# Altium PCB LPCB235R0.PcbDoc (part 2 of 7)
Units mm, origin at the board's own origin, x right, y up, seen from the top; angles counter-clockwise.
Board outline 134 x 120 mm, 6 copper layers (Top Layer, IP1(DGND), MidLayer1, MidLayer2, IP2(D3V3), Bottom Layer), stack 1.623 mm thick; 472 components, 425 nets, 2110 pads, 1126 vias.
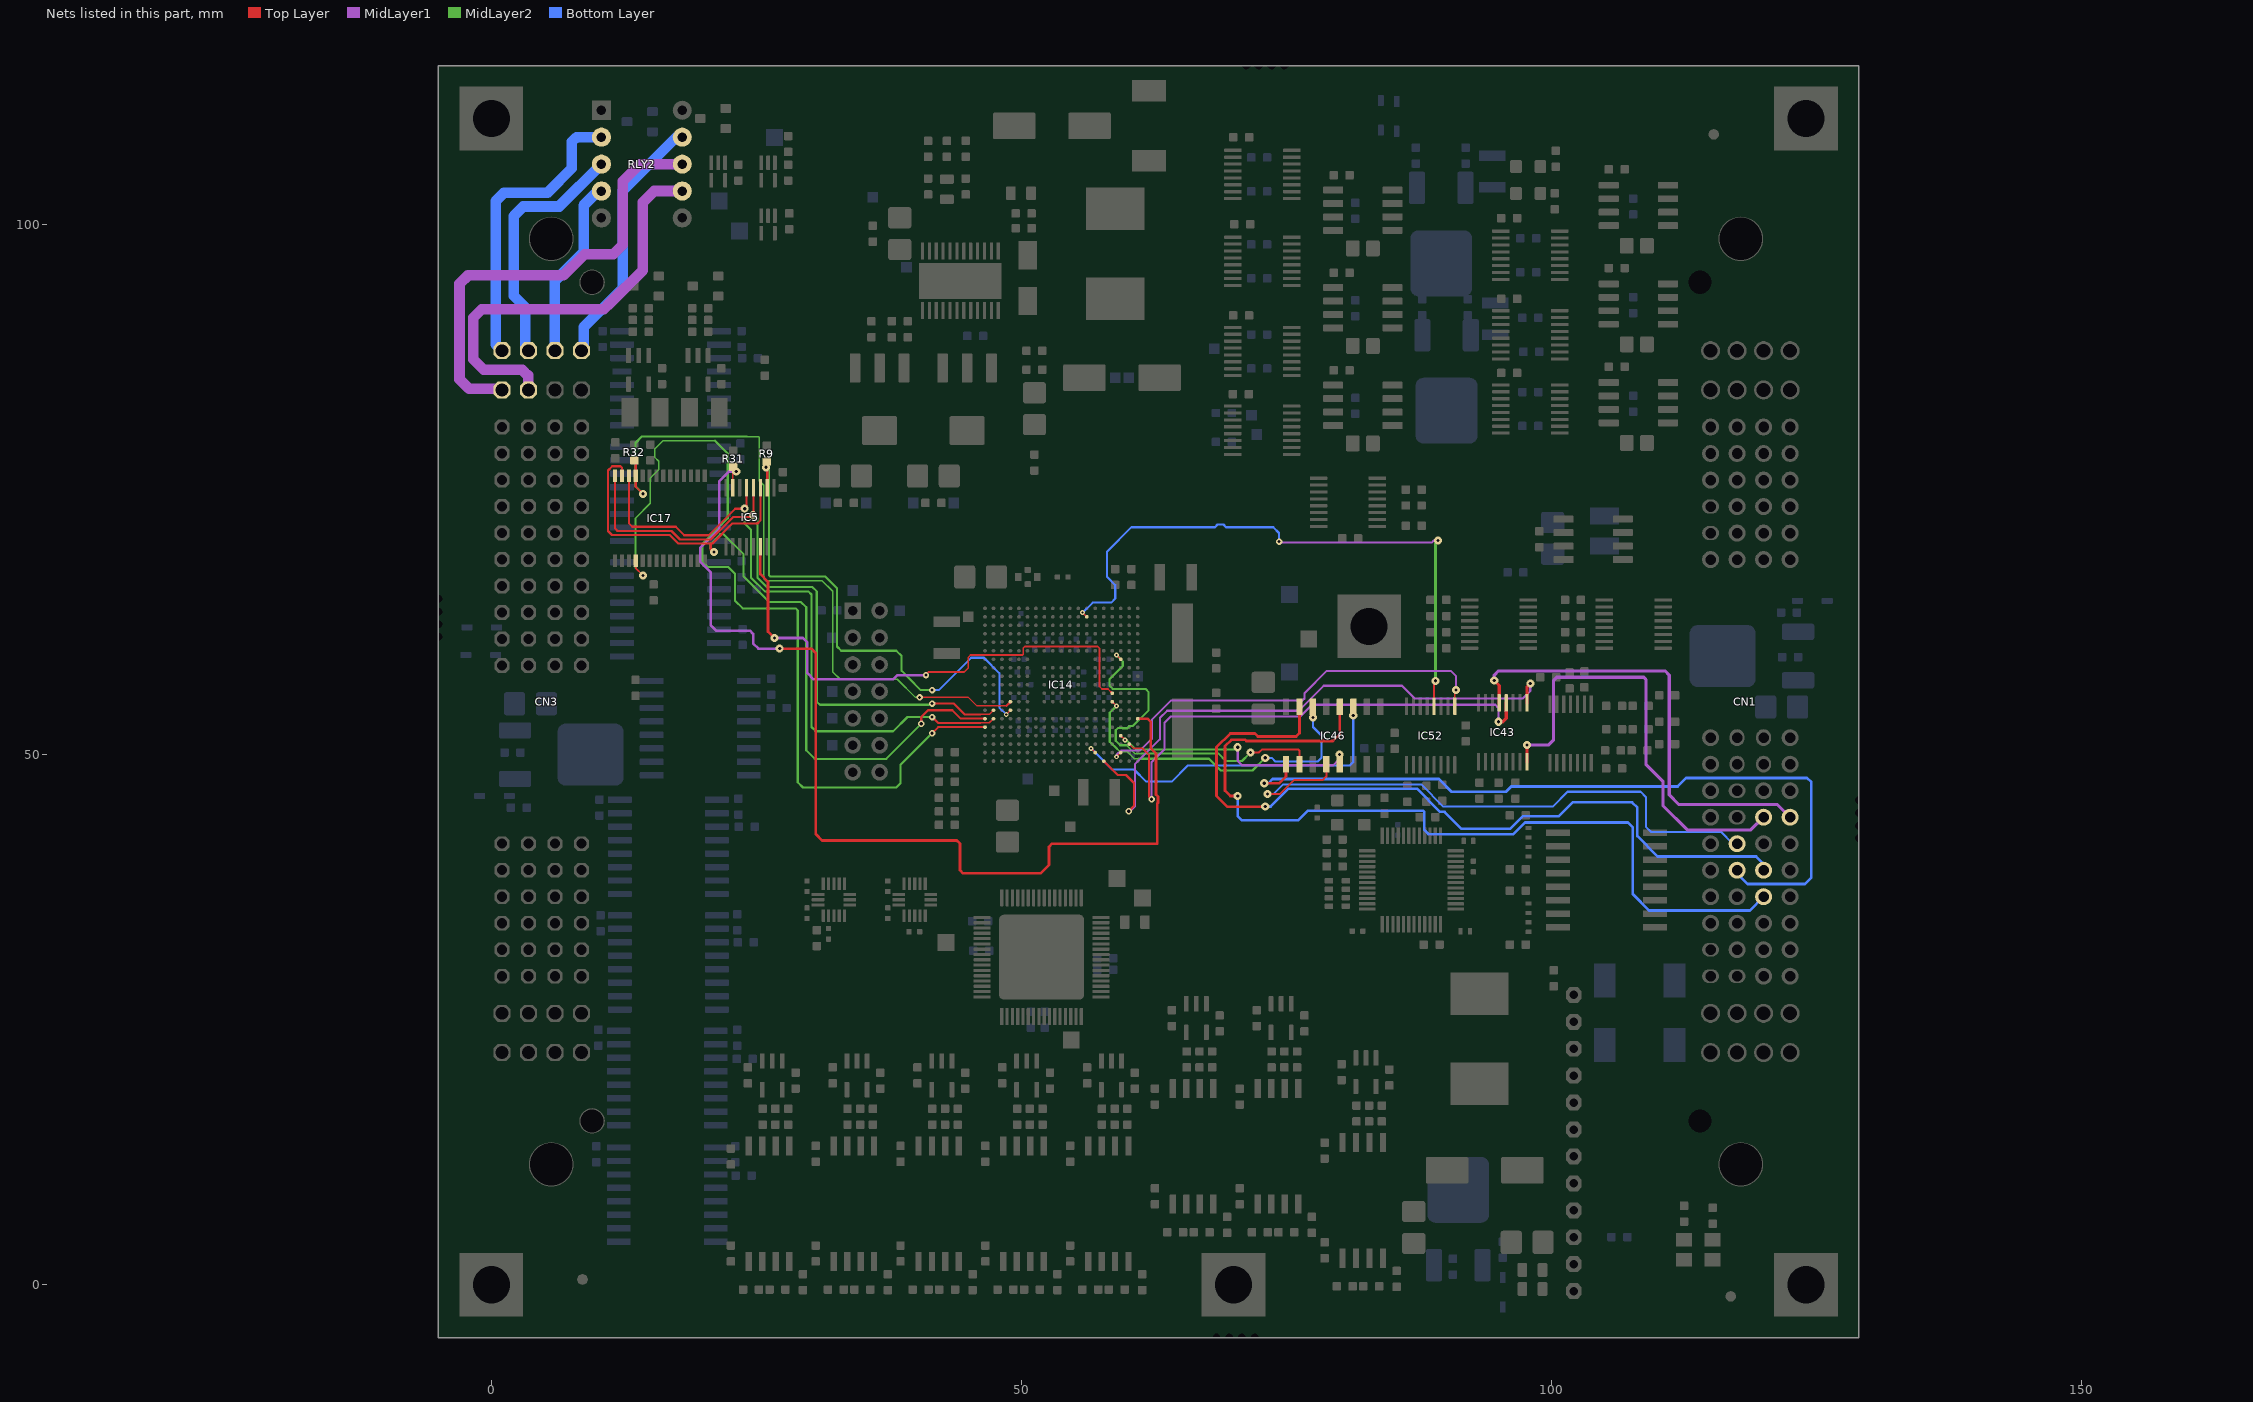
[diagram p6: the nets of this part, all layers, seen from the top]

## Components (designator, comment, footprint, x,y, rotation, side; value= is the part's Value field where it differs from the comment) (continued)
R74 "2.2K / 0.1W / 1% / SMD 0603" LFP020__CR1608-0603-IPC7351_B 99.7,57.3 r0 top
R75 "2.2K / 0.1W / 1% / SMD 0603" LFP020__CR1608-0603-IPC7351_B 110.9,51 r0 top
R76 "2.2K / 0.1W / 1% / SMD 0603" LFP020__CR1608-0603-IPC7351_B 108.3,50.4 r180 top
R77 "330R / 0.100W / 1% / SMD 0603" LFP020__CR1608-0603-IPC7351_B 105.8,50.4 r0 top
R78 "10K / 0.1W / 1% / SMD 0603" LFP020__CR1608-0603-IPC7351_B 30.7,32.7 r90 top
R79_TH1 "10K / 0.1W / 1% / SMD 0603" LFP020__CR1608-0603-IPC7351_B 80.195,20.05 r270 top (schematic designator R79)
R79_TH2 "10K / 0.1W / 1% / SMD 0603" LFP020__CR1608-0603-IPC7351_B 72.195,25.15 r270 top (schematic designator R79)
R79_TH3 "10K / 0.1W / 1% / SMD 0603" LFP020__CR1608-0603-IPC7351_B 64.195,25.15 r270 top (schematic designator R79)
R79_TH4 "10K / 0.1W / 1% / SMD 0603" LFP020__CR1608-0603-IPC7351_B 56.195,19.75 r270 top (schematic designator R79)
R79_TH5 "10K / 0.1W / 1% / SMD 0603" LFP020__CR1608-0603-IPC7351_B 48.195,19.75 r270 top (schematic designator R79)
R79_TH6 "10K / 0.1W / 1% / SMD 0603" LFP020__CR1608-0603-IPC7351_B 40.195,19.75 r270 top (schematic designator R79)
R79_TH7 "10K / 0.1W / 1% / SMD 0603" LFP020__CR1608-0603-IPC7351_B 32.195,19.75 r270 top (schematic designator R79)
R79_TH8 "10K / 0.1W / 1% / SMD 0603" LFP020__CR1608-0603-IPC7351_B 24.195,19.75 r270 top (schematic designator R79)
R80_TH1 "10K / 0.1W / 1% / SMD 0603" LFP020__CR1608-0603-IPC7351_B 80.495,-0.15 r180 top (schematic designator R80)
R80_TH2 "10K / 0.1W / 1% / SMD 0603" LFP020__CR1608-0603-IPC7351_B 72.495,4.95 r180 top (schematic designator R80)
R80_TH3 "10K / 0.1W / 1% / SMD 0603" LFP020__CR1608-0603-IPC7351_B 64.495,4.95 r180 top (schematic designator R80)
R80_TH4 "10K / 0.1W / 1% / SMD 0603" LFP020__CR1608-0603-IPC7351_B 56.495,-0.45 r180 top (schematic designator R80)
R80_TH5 "10K / 0.1W / 1% / SMD 0603" LFP020__CR1608-0603-IPC7351_B 48.495,-0.45 r180 top (schematic designator R80)
R80_TH6 "10K / 0.1W / 1% / SMD 0603" LFP020__CR1608-0603-IPC7351_B 40.495,-0.45 r180 top (schematic designator R80)
R80_TH7 "10K / 0.1W / 1% / SMD 0603" LFP020__CR1608-0603-IPC7351_B 32.495,-0.45 r180 top (schematic designator R80)
R80_TH8 "10K / 0.1W / 1% / SMD 0603" LFP020__CR1608-0603-IPC7351_B 24.495,-0.45 r180 top (schematic designator R80)
R81_TH1 "10K / 0.1W / 1% / SMD 0603" LFP020__CR1608-0603-IPC7351_B 81.595,16.15 r90 top (schematic designator R81)
R81_TH2 "10K / 0.1W / 1% / SMD 0603" LFP020__CR1608-0603-IPC7351_B 73.595,21.25 r90 top (schematic designator R81)
R81_TH3 "10K / 0.1W / 1% / SMD 0603" LFP020__CR1608-0603-IPC7351_B 65.595,21.25 r90 top (schematic designator R81)
R81_TH4 "10K / 0.1W / 1% / SMD 0603" LFP020__CR1608-0603-IPC7351_B 57.595,15.85 r90 top (schematic designator R81)
R81_TH5 "10K / 0.1W / 1% / SMD 0603" LFP020__CR1608-0603-IPC7351_B 49.595,15.85 r90 top (schematic designator R81)
R81_TH6 "10K / 0.1W / 1% / SMD 0603" LFP020__CR1608-0603-IPC7351_B 41.595,15.85 r90 top (schematic designator R81)
R81_TH7 "10K / 0.1W / 1% / SMD 0603" LFP020__CR1608-0603-IPC7351_B 33.595,15.85 r90 top (schematic designator R81)
R81_TH8 "10K / 0.1W / 1% / SMD 0603" LFP020__CR1608-0603-IPC7351_B 25.595,15.85 r90 top (schematic designator R81)
R82_TH1 "10K / 0.1W / 1% / SMD 0603" LFP020__CR1608-0603-IPC7351_B 82.795,16.15 r90 top (schematic designator R82)
R82_TH2 "10K / 0.1W / 1% / SMD 0603" LFP020__CR1608-0603-IPC7351_B 74.795,21.25 r90 top (schematic designator R82)
R82_TH3 "10K / 0.1W / 1% / SMD 0603" LFP020__CR1608-0603-IPC7351_B 66.795,21.25 r90 top (schematic designator R82)
R82_TH4 "10K / 0.1W / 1% / SMD 0603" LFP020__CR1608-0603-IPC7351_B 58.795,15.85 r90 top (schematic designator R82)
R82_TH5 "10K / 0.1W / 1% / SMD 0603" LFP020__CR1608-0603-IPC7351_B 50.795,15.85 r90 top (schematic designator R82)
R82_TH6 "10K / 0.1W / 1% / SMD 0603" LFP020__CR1608-0603-IPC7351_B 42.795,15.85 r90 top (schematic designator R82)
R82_TH7 "10K / 0.1W / 1% / SMD 0603" LFP020__CR1608-0603-IPC7351_B 34.795,15.85 r90 top (schematic designator R82)
R82_TH8 "10K / 0.1W / 1% / SMD 0603" LFP020__CR1608-0603-IPC7351_B 26.795,15.85 r90 top (schematic designator R82)
R84 "4.75K / 0.06W / 1% / SMD 0402" LFP030__CR1005-0402-IPC7351 60.965,49.795 r0 bottom
R85 "4.75K / 0.06W / 1% / SMD 0402" LFP030__CR1005-0402-IPC7351 58.165,52.795 r90 bottom
R86_TH1 "2.7K / 0.100W / 1% / SMD 0603" LFP020__CR1608-0603-IPC7351_B 82.995,-0.15 r180 top (schematic designator R86)
R86_TH2 "2.7K / 0.100W / 1% / SMD 0603" LFP020__CR1608-0603-IPC7351_B 74.995,4.95 r180 top (schematic designator R86)
R86_TH3 "2.7K / 0.100W / 1% / SMD 0603" LFP020__CR1608-0603-IPC7351_B 66.995,4.95 r180 top (schematic designator R86)
R86_TH4 "2.7K / 0.100W / 1% / SMD 0603" LFP020__CR1608-0603-IPC7351_B 58.995,-0.45 r180 top (schematic designator R86)
R86_TH5 "2.7K / 0.100W / 1% / SMD 0603" LFP020__CR1608-0603-IPC7351_B 50.995,-0.45 r180 top (schematic designator R86)
R86_TH6 "2.7K / 0.100W / 1% / SMD 0603" LFP020__CR1608-0603-IPC7351_B 42.995,-0.45 r180 top (schematic designator R86)
R86_TH7 "2.7K / 0.100W / 1% / SMD 0603" LFP020__CR1608-0603-IPC7351_B 34.995,-0.45 r180 top (schematic designator R86)
R86_TH8 "2.7K / 0.100W / 1% / SMD 0603" LFP020__CR1608-0603-IPC7351_B 26.995,-0.45 r180 top (schematic designator R86)
R87_TH1 "10K / 0.1W / 1% / SMD 0603" LFP020__CR1608-0603-IPC7351_B 85.395,0.55 r270 top (schematic designator R87)
R87_TH2 "10K / 0.1W / 1% / SMD 0603" LFP020__CR1608-0603-IPC7351_B 77.395,5.65 r270 top (schematic designator R87)
R87_TH3 "10K / 0.1W / 1% / SMD 0603" LFP020__CR1608-0603-IPC7351_B 69.395,5.65 r270 top (schematic designator R87)
R87_TH4 "10K / 0.1W / 1% / SMD 0603" LFP020__CR1608-0603-IPC7351_B 61.395,0.25 r270 top (schematic designator R87)
R87_TH5 "10K / 0.1W / 1% / SMD 0603" LFP020__CR1608-0603-IPC7351_B 53.395,0.25 r270 top (schematic designator R87)
R87_TH6 "10K / 0.1W / 1% / SMD 0603" LFP020__CR1608-0603-IPC7351_B 45.395,0.25 r270 top (schematic designator R87)
R87_TH7 "10K / 0.1W / 1% / SMD 0603" LFP020__CR1608-0603-IPC7351_B 37.395,0.25 r270 top (schematic designator R87)
R87_TH8 "10K / 0.1W / 1% / SMD 0603" LFP020__CR1608-0603-IPC7351_B 29.395,0.25 r270 top (schematic designator R87)
R88_TH1 "10K / 0.1W / 1% / SMD 0603" LFP020__CR1608-0603-IPC7351_B 83.995,16.15 r90 top (schematic designator R88)
R88_TH2 "10K / 0.1W / 1% / SMD 0603" LFP020__CR1608-0603-IPC7351_B 75.995,21.25 r90 top (schematic designator R88)
R88_TH3 "10K / 0.1W / 1% / SMD 0603" LFP020__CR1608-0603-IPC7351_B 67.995,21.25 r90 top (schematic designator R88)
R88_TH4 "10K / 0.1W / 1% / SMD 0603" LFP020__CR1608-0603-IPC7351_B 59.995,15.85 r90 top (schematic designator R88)
R88_TH5 "10K / 0.1W / 1% / SMD 0603" LFP020__CR1608-0603-IPC7351_B 51.995,15.85 r90 top (schematic designator R88)
R88_TH6 "10K / 0.1W / 1% / SMD 0603" LFP020__CR1608-0603-IPC7351_B 43.995,15.85 r90 top (schematic designator R88)
R88_TH7 "10K / 0.1W / 1% / SMD 0603" LFP020__CR1608-0603-IPC7351_B 35.995,15.85 r90 top (schematic designator R88)
R88_TH8 "10K / 0.1W / 1% / SMD 0603" LFP020__CR1608-0603-IPC7351_B 27.995,15.85 r90 top (schematic designator R88)
R89 "10K / 0.1W / 1% / SMD 0603" LFP020__CR1608-0603-IPC7351_B 28,107.6 r270 top
R91_ML1 "1.78K / 0.1W / 1% / 50V / SMD 0603" LFP020__CR1608-0603-IPC7351_B 14.1,89.9 r0 top (schematic designator R91)
R91_ML2 "1.78K / 0.1W / 1% / 50V / SMD 0603" LFP020__CR1608-0603-IPC7351_B 19.7,89.9 r0 top (schematic designator R91)
R92_ML1 "3.3K / 0.1W / 1% / SMD 0603" LFP020__CR1608-0603-IPC7351_B 14.1,92.1 r180 top (schematic designator R92)
R92_ML2 "3.3K / 0.1W / 1% / SMD 0603" LFP020__CR1608-0603-IPC7351_B 19.7,92.1 r180 top (schematic designator R92)
RLY2 "TQ2-12" TQ2 14.2,105.7 r270 top
SN1 "PCB_SNAPOUT" SNAPOUT_NEW 129,45.7 r270 top
SN2 "PCB_SNAPOUT" SNAPOUT_NEW 72,-5 r180 top
SN3 "PCB_SNAPOUT" SNAPOUT_NEW 74.8,115 r180 top
SN4 "PCB_SNAPOUT" SNAPOUT_NEW -5,64.7 r270 top
TP1 "SMD_TP" SMD-TP 61.4,36.5 r0 top
TP2 "SMD_TP_SMALL" SMD-TP-SMALL#1 38.525,63.58 r270 bottom
TP3 "SMD_TP_SMALL" SMD-TP-SMALL#1 50.59,47.705 r0 bottom
TP4 "SMD_TP_SMALL" SMD-TP-SMALL#1 32.175,53.42 r270 bottom
TP5 "SMD_TP_SMALL" SMD-TP-SMALL#1 32.175,50.88 r270 bottom
TP6 "SMD_TP_SMALL" SMD-TP-SMALL#1 32.175,61.04 r270 bottom
TP7 "SMD_TP_SMALL" SMD-TP-SMALL#1 32.175,55.96 r270 bottom
TP8 "SMD_TP_SMALL" SMD-TP-SMALL#1 34.08,65.485 r270 bottom
TP9 "SMD_TP" SMD-TP 59,38.3 r0 top
TP10 "SMD_TP" SMD-TP 54.7,23.1 r0 top
TP11 "SMD_TP" SMD-TP 42.9,32.3 r0 top
TP12 "SMD_TP_SMALL" SMD-TP-SMALL#2 45,63 r0 top
TP13 "SMD_TP_SMALL" SMD-TP-SMALL#2 53.1,46.6 r0 top
TP14 "SMD_TP_SMALL" SMD-TP-SMALL#1 60.115,85.551 r270 bottom
TP15 "SMD_TP_SMALL" SMD-TP-SMALL#1 58.845,85.551 r270 bottom
TP16 "SMD_TP_SMALL" SMD-TP-SMALL#1 35.985,102.569 r270 bottom
TP17 "SMD_TP_SMALL" SMD-TP-SMALL#1 39.16,95.965 r270 bottom
TP18 "SMD_TP_SMALL" SMD-TP-SMALL#1 39.795,73.74 r90 bottom
TP19 "SMD_TP_SMALL" SMD-TP-SMALL#1 43.605,73.74 r90 bottom
TP20 "SMD_TP_SMALL" SMD-TP-SMALL#1 31.54,73.74 r270 bottom
TP21 "SMD_TP_SMALL" SMD-TP-SMALL#1 35.35,73.74 r180 bottom
TP22 "SMD_TP_SMALL" SMD-TP-SMALL#2 60.965,57.395 r180 bottom
TP23 "SMD_TP_SMALL" SMD-TP-SMALL#2 54.6,43.2 r0 top
TP24 "SMD_TP" SMD-TP 75.3,65.1 r180 bottom
TP25 "SMD_TP" SMD-TP 75.3,57.8 r180 bottom
TP26 "SMD_TP" SMD-TP 77.1,60.9 r0 top
TP36 "SMD_TP_SMALL" SMD-TP-SMALL#1 72.2,80.2 r0 bottom
TP37 "SMD_TP_SMALL" SMD-TP-SMALL#1 71.7,82 r0 bottom
TP38 "SMD_TP_SMALL" SMD-TP-SMALL#1 68.2,88.3 r0 bottom
TP47 "SMD_TP" SMD-TP 26.7,108.2 r180 bottom
TP48 "SMD_TP" SMD-TP 23.4,99.4 r180 bottom
TP49 "SMD_TP" SMD-TP 21.5,102.2 r180 bottom
X1 "ABLS-10.000MHZ-B2-T" LFP022__XT49M 65.195,56.976 r270 top

## Footprints (in the part's own frame and the unit in brackets; to place one, negate y for a bottom-side part, rotate by r counter-clockwise, add the part's x,y. Pads: shape width x height; smd on the part's side, far side on the other; paste and mask are expansions set on the pad)
1-1634688-4 [mil]
  rect 62x62 hole 35.43: 1(0,0)
  round 62 hole 35.43: 2(0,100) 3(100,0) 4(100,100) 5(200,0) 6(200,100) 7(300,0) 8(300,100) 9(400,0) 10(400,100) 11(500,0) 12(500,100) 13(600,0) 14(600,100)
  silkscreen extent -201,-121 801,233
502225-0801#1 [mm] "Connector, Molex CMC, Automotive Socket, 80 Circuits, 2 Pockets"
  round 1.6 hole 1: 1A_A(46.5,7.5) 1A_B(29.7,0) 1B_B(27.2,0) 1C_B(24.7,0) 1D_A(54,7.5) 1D_B(22.2,0) 1E_A(56.5,7.5) 1E_B(19.7,0) 1F_A(59,7.5) 1F_B(17.2,0) 1G_B(14.7,0) 1H_B(12.2,0) 1J_B(9.7,0) 1K_B(7.2,0) 2A_A(46.5,5) 2B_A(49,5) 2C_A(51.5,5) 2C_B(24.7,2.5) 2D_A(54,5) 2D_B(22.2,2.5) 2E_A(56.5,5) 2E_B(19.7,2.5) 2F_A(59,5) 2F_B(17.2,2.5) 2G_B(14.7,2.5) 2H_B(12.2,2.5) 2J_B(9.7,2.5) 2K_B(7.2,2.5) 3A_A(46.5,2.5) 3B_A(49,2.5) 3C_A(51.5,2.5) 3D_A(54,2.5) 3E_A(56.5,2.5) 3E_B(19.7,5) 3F_A(59,2.5) 3F_B(17.2,5) 3G_B(14.7,5) 3H_B(12.2,5) 3J_B(9.7,5) 4A_A(46.5,0) 4A_B(29.7,7.5) 4B_A(49,0) 4B_B(27.2,7.5) 4C_A(51.5,0) 4C_B(24.7,7.5) 4D_A(54,0) 4D_B(22.2,7.5) 4E_A(56.5,0) 4E_B(19.7,7.5) 4F_A(59,0) 4F_B(17.2,7.5) 4G_B(14.7,7.5) 4H_B(12.2,7.5)
  oval 1.346x1.6 hole 1: 1B_A(49,7.5) 1C_A(51.5,7.5) 3C_B(24.7,5) 3D_B(22.2,5)
  round 1.8 hole 1.3: 1G_A(62.5,7.5) 1H_A(66.2,7.5) 1L_B(3.7,0) 1M_B(0,0) 2G_A(62.5,5) 2H_A(66.2,5) 2L_B(3.7,2.5) 2M_B(0,2.5) 3G_A(62.5,2.5) 3H_A(66.2,2.5) 3L_B(3.7,5) 3M_B(0,5) 4G_A(62.5,0) 4H_A(66.2,0) 4L_B(3.7,7.5) 4M_B(0,7.5)
  oval 1.6x1.4 hole 1: 2A_B(29.7,2.5) 2B_B(27.2,2.5) 3A_B(29.7,5) 3B_B(27.2,5)
  oval 1.3x1.6 hole 1: 3K_B(7.2,5) 4J_B(9.7,7.5) 4K_B(7.2,7.5)
  round 4.2 hole 4: B(-10.55,4.65) B(76.75,4.65)
  round 1 hole 2.2 unplated: B(-6.45,8.5) B(72.65,8.5)
  silkscreen extent -16.38,-39.49 82.62,9.51
502225-0801#2 [mm] "Connector, Molex CMC, Automotive Socket, 80 Circuits, 2 Pockets"
  oct 1.4x1.4 hole 0.95: 1A_A(46.5,7.5) 1A_B(29.7,0) 1B_A(49,7.5) 1B_B(27.2,0) 1C_A(51.5,7.5) 1C_B(24.7,0) 1D_A(54,7.5) 1D_B(22.2,0) 1E_A(56.5,7.5) 1E_B(19.7,0) 1F_A(59,7.5) 1F_B(17.2,0) 1G_B(14.7,0) 1H_B(12.2,0) 1J_B(9.7,0) 1K_B(7.2,0) 2A_A(46.5,5) 2A_B(29.7,2.5) 2B_A(49,5) 2B_B(27.2,2.5) 2C_A(51.5,5) 2C_B(24.7,2.5) 2D_A(54,5) 2D_B(22.2,2.5) 2E_A(56.5,5) 2E_B(19.7,2.5) 2F_A(59,5) 2F_B(17.2,2.5) 2G_B(14.7,2.5) 2H_B(12.2,2.5) 2J_B(9.7,2.5) 2K_B(7.2,2.5) 3A_A(46.5,2.5) 3A_B(29.7,5) 3B_A(49,2.5) 3B_B(27.2,5) 3C_A(51.5,2.5) 3C_B(24.7,5) 3D_A(54,2.5) 3D_B(22.2,5) 3E_A(56.5,2.5) 3E_B(19.7,5) 3F_A(59,2.5) 3F_B(17.2,5) 3G_B(14.7,5) 3H_B(12.2,5) 3J_B(9.7,5) 3K_B(7.2,5) 4A_A(46.5,0) 4A_B(29.7,7.5) 4B_A(49,0) 4B_B(27.2,7.5) 4C_A(51.5,0) 4C_B(24.7,7.5) 4D_A(54,0) 4D_B(22.2,7.5) 4E_A(56.5,0) 4E_B(19.7,7.5) 4F_A(59,0) 4F_B(17.2,7.5) 4G_B(14.7,7.5) 4H_B(12.2,7.5) 4J_B(9.7,7.5) 4K_B(7.2,7.5)
  oct 1.6x1.6 hole 1.2: 1G_A(62.5,7.5) 1H_A(66.2,7.5) 1L_B(3.7,0) 1M_B(0,0) 2G_A(62.5,5) 2H_A(66.2,5) 2L_B(3.7,2.5) 2M_B(0,2.5) 3G_A(62.5,2.5) 3H_A(66.2,2.5) 3L_B(3.7,5) 3M_B(0,5) 4G_A(62.5,0) 4H_A(66.2,0) 4L_B(3.7,7.5) 4M_B(0,7.5)
  round 4.2 hole 4: B(-10.55,4.65) B(76.75,4.65)
  round 2.4 hole 2.2: B(-6.45,8.5) B(72.65,8.5)
  silkscreen extent -16.38,-39.49 82.62,9.51
CR2012-0805-LED [mm]
  rect 1.3x1.5 smd: A(0.95,0) K(-0.95,0)
  silkscreen extent -2.01,-1.14 1.63,1.14
LFP001__SOD-323F [mm] "Component Footprint, SOD-232F (SOD-323/SC-76; 2 Leads; Body 1.7 x 1.3 mm, (LxW))"
  rrect25% 1.05x0.55 smd: 1(-1.4,0) 2(1.4,0)
  silkscreen extent -2.13,-0.58 0.9,0.58
LFP010__CC2012-0805-IPC7351_B [mm]
  rrect25% 0.9x1.3 smd paste-0.01: 1(-0.95,0) 2(0.95,0)
  silkscreen extent -0.3,-0.8 0.3,0.8
LFP011__CC1608-0603-IPC7351_B [mm]
  rrect25% 0.8x0.8 smd: 1(-0.75,0) 2(0.75,0)
  silkscreen extent -0.2,-0.55 0.2,0.55
LFP012__CC1005-0402-IPC7351_B [mm]
  rrect25% 0.5x0.5 smd: 1(-0.5,0) 2(0.5,0)
  silkscreen extent -0.2,-0.4 0.2,0.4
LFP013__CC3225-1210-IPC7351_B [mm]
  rect 1x2.5 smd paste-0.01: 1(-1.5,0) 2(1.5,0)
  silkscreen extent -0.5,-1.3 0.5,1.3
LFP017__SO-G8/Y1.9 [mm]
  rrect25% 0.65x1.9 smd: 1(-1.905,-2.8) 2(-0.635,-2.8) 3(0.635,-2.8) 4(1.905,-2.8) 5(1.905,2.8) 6(0.635,2.8) 7(-0.635,2.8) 8(-1.905,2.8)
  silkscreen extent -2.52,-1.45 2.52,1.45
LFP018__TC3528 [mm]
  rrect25% 2x2.2 smd: 1(-1.5,0) 2(1.5,0)
  silkscreen extent -2.51,-1.5 0.3,1.5
LFP019__369A-13 [mil]
  rrect25% 60x120 smd: 1(-90,-179.49) 3(90,-179.49)
  rrect25% 230x245 smd paste-196.85: 4(0,100.75)
  silkscreen extent -130,-104 130,-19
LFP020__CR1608-0603-IPC7351_B [mm]
  rrect25% 0.8x0.8 smd: 1(-0.75,0) 2(0.75,0)
  silkscreen extent -0.2,-0.5 0.2,0.5
LFP021__SOT23 [mm] "SOT-23; 3 Leads; Body 3.0 x 2.5 mm, inc. leads (LxW max)"
  rrect25% 0.85x1 smd paste-0.05: 1(-0.95,-1.2) 2(0.95,-1.2) 3(0,1.2)
  silkscreen extent -1.27,-0.3 1.28,1.2
LFP022__XT49M [mm] "SMD Crystal"
  rect 5.6x2 smd paste-0.1: 1(-4.5,0) 2(4.5,0)
  silkscreen extent -5.7,-2.35 5.7,2.35
LFP028__CR3225-1210 [mm]
  rect 1.6x2.7 smd: 1(-1.4,0) 2(1.4,0)
  silkscreen extent -0.4,-1.5 0.4,1.5
LFP029__CR2012-0805 [mm]
  rrect25% 1.3x1.5 smd paste-0.01: 1(-0.95,0) 2(0.95,0)
  silkscreen extent -0.2,-0.9 0.2,0.9
LFP030__CR1005-0402-IPC7351 [mm]
  rrect25% 0.4x0.6 smd: 1(-0.45,0) 2(0.45,0)
  silkscreen extent -0.2,-0.42 0.2,0.42
LFP036__R-PDSO-G24 [mm]
  rrect25% 0.3x1.6 smd paste-0.03: 1(-3.575,-2.8) 2(-2.925,-2.8) 3(-2.275,-2.8) 4(-1.625,-2.8) 5(-0.975,-2.8) 6(-0.325,-2.8) 7(0.325,-2.8) 8(0.975,-2.8) 9(1.625,-2.8) 10(2.275,-2.8) 11(2.925,-2.8) 12(3.575,-2.8) 13(3.575,2.8) 14(2.925,2.8) 15(2.275,2.8) 16(1.625,2.8) 17(0.975,2.8) 18(0.325,2.8) 19(-0.325,2.8) 20(-0.975,2.8) 21(-1.625,2.8) 22(-2.275,2.8) 23(-2.925,2.8) 24(-3.575,2.8)
  rect 7.8x3.4 smd paste-10: PAD(0,0)
  silkscreen extent -3.9,-1.7 3.9,1.7
LFP037__MSS1278T [mm]
  rect 4x5.5 smd: 1(-4.25,0) 2(4.25,0)
  silkscreen extent -6,-6 6,6
LFP038__SOT223-4M [mm] "SOT223/SC73, 4-Leads, Body 6.5x3.5mm, Pitch 2.3mm, Lead Span 7mm, IPC Low Density"
  rrect10% 1x2.7 smd: 1(-2.3,-2.95) 2(0,-2.95) 3(2.3,-2.95)
  rrect10% 3.3x2.7 smd: 4(0,2.95)
  silkscreen extent -3.35,-1.3 3.35,1.3
LFP039__DO-214AC [mm]
  rect 2.65x1.75 smd: 1(-2.15,0) 2(2.15,0)
  silkscreen extent -2.8,-1.5 2,1.6
LFP040__DO-214AB [mm]
  rect 2.032x3.2 smd: 1(-3.3,0) 2(3.3,0)
  silkscreen extent -3.8,-2.9 3.1,2.9
LFP041__NICHICON_WT_10X10 [mm]
  rrect10% 4x2.5 smd paste-0.02: 1(-3.55,0) 2(3.55,0)
  silkscreen extent -5.15,-5.15 5.15,5.15
LFP047__SOT353 [mm] "SOT-353/SC-88A; 5 Leads; Body 2.2 x 2.2 mm, inc. leads (LxW max)"
  rrect25% 0.35x1.35 smd paste-0.03: 1(-0.65,-0.825) 2(0,-0.825) 3(0.65,-0.825) 4(0.65,0.825) 5(-0.65,0.825)
  silkscreen extent -1.15,-0.7 1.15,0.7
LFP049__TSSOP-16 [mm] "Copied from 984E-02"
  rrect25% 0.3x1.65 smd paste-0.03: 1(-2.275,-2.775) 2(-1.625,-2.775) 3(-0.975,-2.775) 4(-0.325,-2.775) 5(0.325,-2.775) 6(0.975,-2.775) 7(1.625,-2.775) 8(2.275,-2.775) 9(2.275,2.775) 10(1.625,2.775) 11(0.975,2.775) 12(0.325,2.775) 13(-0.325,2.775) 14(-0.975,2.775) 15(-1.625,2.775) 16(-2.275,2.775)
  silkscreen extent -2.65,-1.55 2.45,1.55
LFP050__SSOP28 [mm]
  rrect25% 0.4x1.2 smd paste-0.05: 1(-4.225,-4) 2(-3.575,-4) 3(-2.925,-4) 4(-2.275,-4) 5(-1.625,-4) 6(-0.975,-4) 7(-0.325,-4) 8(0.325,-4) 9(0.975,-4) 10(1.625,-4) 11(2.275,-4) 12(2.925,-4) 13(3.575,-4) 14(4.225,-4) 15(4.225,4) 16(3.575,4) 17(2.925,4) 18(2.275,4) 19(1.625,4) 20(0.975,4) 21(0.325,4) 22(-0.325,4) 23(-0.975,4) 24(-1.625,4) 25(-2.275,4) 26(-2.925,4) 27(-3.575,4) 28(-4.225,4)
  silkscreen extent -4.55,-2.67 4.55,2.67
LFP051__QFN16 [mm]
  rrect25% 0.3x1.2 smd paste-0.05: 1(-1,-1.5) 2(-0.5,-1.5) 3(0,-1.5) 4(0.5,-1.5) 5(1,-1.5) 9(1,1.5) 10(0.5,1.5) 11(0,1.5) 12(-0.5,1.5) 13(-1,1.5)
  rrect25% 1.2x0.3 smd paste-0.05: 6(1.5,-0.5) 7(1.5,0) 8(1.5,0.5) 14(-1.5,0.5) 15(-1.5,0) 16(-1.5,-0.5)
  silkscreen extent -1.8,-1.5 1.5,1.5
"LFP054__ZWT (S-PBGA-N337)" [mm]
  round 0.35 smd paste-0.015: A1(-7.2,-7.2) A2(-7.2,-6.4) A3(-7.2,-5.6) A4(-7.2,-4.8) A5(-7.2,-4) A6(-7.2,-3.2) A7(-7.2,-2.4) A8(-7.2,-1.6) A9(-7.2,-0.8) A10(-7.2,0) A11(-7.2,0.8) A12(-7.2,1.6) A13(-7.2,2.4) A14(-7.2,3.2) A15(-7.2,4) A16(-7.2,4.8) A17(-7.2,5.6) A18(-7.2,6.4) A19(-7.2,7.2) B1(-6.4,-7.2) B2(-6.4,-6.4) B3(-6.4,-5.6) B4(-6.4,-4.8) B5(-6.4,-4) B6(-6.4,-3.2) B7(-6.4,-2.4) B8(-6.4,-1.6) B9(-6.4,-0.8) B10(-6.4,0) B11(-6.4,0.8) B12(-6.4,1.6) B13(-6.4,2.4) B14(-6.4,3.2) B15(-6.4,4) B16(-6.4,4.8) B17(-6.4,5.6) B18(-6.4,6.4) B19(-6.4,7.2) C1(-5.6,-7.2) C2(-5.6,-6.4) C3(-5.6,-5.6) C4(-5.6,-4.8) C5(-5.6,-4) C6(-5.6,-3.2) C7(-5.6,-2.4) C8(-5.6,-1.6) C9(-5.6,-0.8) C10(-5.6,0) C11(-5.6,0.8) C12(-5.6,1.6) C13(-5.6,2.4) C14(-5.6,3.2) C15(-5.6,4) C16(-5.6,4.8) C17(-5.6,5.6) C18(-5.6,6.4) C19(-5.6,7.2) D1(-4.8,-7.2) D2(-4.8,-6.4) D3(-4.8,-5.6) D4(-4.8,-4.8) D5(-4.8,-4) D6(-4.8,-3.2) D7(-4.8,-2.4) D8(-4.8,-1.6) D9(-4.8,-0.8) D10(-4.8,0) D11(-4.8,0.8) D12(-4.8,1.6) D13(-4.8,2.4) D14(-4.8,3.2) D15(-4.8,4) D16(-4.8,4.8) D17(-4.8,5.6) D18(-4.8,6.4) D19(-4.8,7.2) E1(-4,-7.2) E2(-4,-6.4) E3(-4,-5.6) E4(-4,-4.8) E5(-4,-4) E6(-4,-3.2) E7(-4,-2.4) E8(-4,-1.6) E9(-4,-0.8) E10(-4,0) E11(-4,0.8) E12(-4,1.6) E13(-4,2.4) E14(-4,3.2) E15(-4,4) E16(-4,4.8) E17(-4,5.6) E18(-4,6.4) E19(-4,7.2) F1(-3.2,-7.2) F2(-3.2,-6.4) F3(-3.2,-5.6) F4(-3.2,-4.8) F5(-3.2,-4) F6(-3.2,-3.2) F7(-3.2,-2.4) F8(-3.2,-1.6) F9(-3.2,-0.8) F10(-3.2,0) F11(-3.2,0.8) F12(-3.2,1.6) F13(-3.2,2.4) F14(-3.2,3.2) F15(-3.2,4) F16(-3.2,4.8) F17(-3.2,5.6) F18(-3.2,6.4) F19(-3.2,7.2) G1(-2.4,-7.2) G2(-2.4,-6.4) G3(-2.4,-5.6) G4(-2.4,-4.8) G5(-2.4,-4) G6(-2.4,-3.2) G14(-2.4,3.2) G15(-2.4,4) G16(-2.4,4.8) G17(-2.4,5.6) G18(-2.4,6.4) G19(-2.4,7.2) H1(-1.6,-7.2) H2(-1.6,-6.4) H3(-1.6,-5.6) H4(-1.6,-4.8) H5(-1.6,-4) H6(-1.6,-3.2) H8(-1.6,-1.6) H9(-1.6,-0.8) H10(-1.6,0) H11(-1.6,0.8) H12(-1.6,1.6) H14(-1.6,3.2) H15(-1.6,4) H16(-1.6,4.8) H17(-1.6,5.6) H18(-1.6,6.4) H19(-1.6,7.2) J1(-0.8,-7.2) J2(-0.8,-6.4) J3(-0.8,-5.6) J4(-0.8,-4.8) J5(-0.8,-4) J6(-0.8,-3.2) J8(-0.8,-1.6) J9(-0.8,-0.8) J10(-0.8,0) J11(-0.8,0.8) J12(-0.8,1.6) J14(-0.8,3.2) J15(-0.8,4) J16(-0.8,4.8) J17(-0.8,5.6) J18(-0.8,6.4) J19(-0.8,7.2) K1(0,-7.2) K2(0,-6.4) K3(0,-5.6) K4(0,-4.8) K5(0,-4) K6(0,-3.2) K8(0,-1.6) K9(0,-0.8) K10(0,0) K11(0,0.8) K12(0,1.6) K14(0,3.2) K15(0,4) K16(0,4.8) K17(0,5.6) K18(0,6.4) K19(0,7.2) L1(0.8,-7.2) L2(0.8,-6.4) L3(0.8,-5.6) L4(0.8,-4.8) L5(0.8,-4) L6(0.8,-3.2) L8(0.8,-1.6) L9(0.8,-0.8) L10(0.8,0) L11(0.8,0.8) L12(0.8,1.6) L14(0.8,3.2) L15(0.8,4) L16(0.8,4.8) L17(0.8,5.6) L18(0.8,6.4) L19(0.8,7.2) M1(1.6,-7.2) M2(1.6,-6.4) M3(1.6,-5.6) M4(1.6,-4.8) M5(1.6,-4) M6(1.6,-3.2) M8(1.6,-1.6) M9(1.6,-0.8) M10(1.6,0) M11(1.6,0.8) M12(1.6,1.6) M14(1.6,3.2) M15(1.6,4) M16(1.6,4.8) M17(1.6,5.6) M18(1.6,6.4) M19(1.6,7.2) N1(2.4,-7.2) N2(2.4,-6.4) N3(2.4,-5.6) N4(2.4,-4.8) N5(2.4,-4) N6(2.4,-3.2) N14(2.4,3.2) N15(2.4,4) N16(2.4,4.8) N17(2.4,5.6) N18(2.4,6.4) N19(2.4,7.2) P1(3.2,-7.2) P2(3.2,-6.4) P3(3.2,-5.6) P4(3.2,-4.8) P5(3.2,-4) P6(3.2,-3.2) P7(3.2,-2.4) P8(3.2,-1.6) P9(3.2,-0.8) P10(3.2,0) P11(3.2,0.8) P12(3.2,1.6) P13(3.2,2.4) P14(3.2,3.2) P15(3.2,4) P16(3.2,4.8) P17(3.2,5.6) P18(3.2,6.4) P19(3.2,7.2) R1(4,-7.2) R2(4,-6.4) R3(4,-5.6) R4(4,-4.8) R5(4,-4) R6(4,-3.2) R7(4,-2.4) R8(4,-1.6) R9(4,-0.8) R10(4,0) R11(4,0.8) R12(4,1.6) R13(4,2.4) R14(4,3.2) R15(4,4) R16(4,4.8) R17(4,5.6) R18(4,6.4) R19(4,7.2) T1(4.8,-7.2) T2(4.8,-6.4) T3(4.8,-5.6) T4(4.8,-4.8) T5(4.8,-4) T6(4.8,-3.2) T7(4.8,-2.4) T8(4.8,-1.6) T9(4.8,-0.8) T10(4.8,0) T11(4.8,0.8) T12(4.8,1.6) T13(4.8,2.4) T14(4.8,3.2) T15(4.8,4) T16(4.8,4.8) T17(4.8,5.6) T18(4.8,6.4) T19(4.8,7.2) U1(5.6,-7.2) U2(5.6,-6.4) U3(5.6,-5.6) U4(5.6,-4.8) U5(5.6,-4) U6(5.6,-3.2) U7(5.6,-2.4) U8(5.6,-1.6) U9(5.6,-0.8) U10(5.6,0) U11(5.6,0.8) U12(5.6,1.6) U13(5.6,2.4) U14(5.6,3.2) U15(5.6,4) U16(5.6,4.8) U17(5.6,5.6) U18(5.6,6.4) U19(5.6,7.2) V1(6.4,-7.2) V2(6.4,-6.4) V3(6.4,-5.6) V4(6.4,-4.8) V5(6.4,-4) V6(6.4,-3.2) V7(6.4,-2.4) V8(6.4,-1.6) V9(6.4,-0.8) V10(6.4,0) V11(6.4,0.8) V12(6.4,1.6) V13(6.4,2.4) V14(6.4,3.2) V15(6.4,4) V16(6.4,4.8) V17(6.4,5.6) V18(6.4,6.4) V19(6.4,7.2) W1(7.2,-7.2) W2(7.2,-6.4) W3(7.2,-5.6) W4(7.2,-4.8) W5(7.2,-4) W6(7.2,-3.2) W7(7.2,-2.4) W8(7.2,-1.6) W9(7.2,-0.8) W10(7.2,0) W11(7.2,0.8) W12(7.2,1.6) W13(7.2,2.4) W14(7.2,3.2) W15(7.2,4) W16(7.2,4.8) W17(7.2,5.6) W18(7.2,6.4) W19(7.2,7.2)